# Altium PCB MAINBOARD_PCB.PcbDoc (part 4 of 5)
Units mm, origin at the board's own origin, x right, y up, seen from the top; angles counter-clockwise.
Board outline 480.55 x 38.8 mm, 4 copper layers (Top Layer, Int1 (GND), Int2 (PWR), Bottom Layer), stack 1.547 mm thick; 399 components, 366 nets, 1333 pads, 1063 vias.
Unrouted connection lines stored in the file: 46.
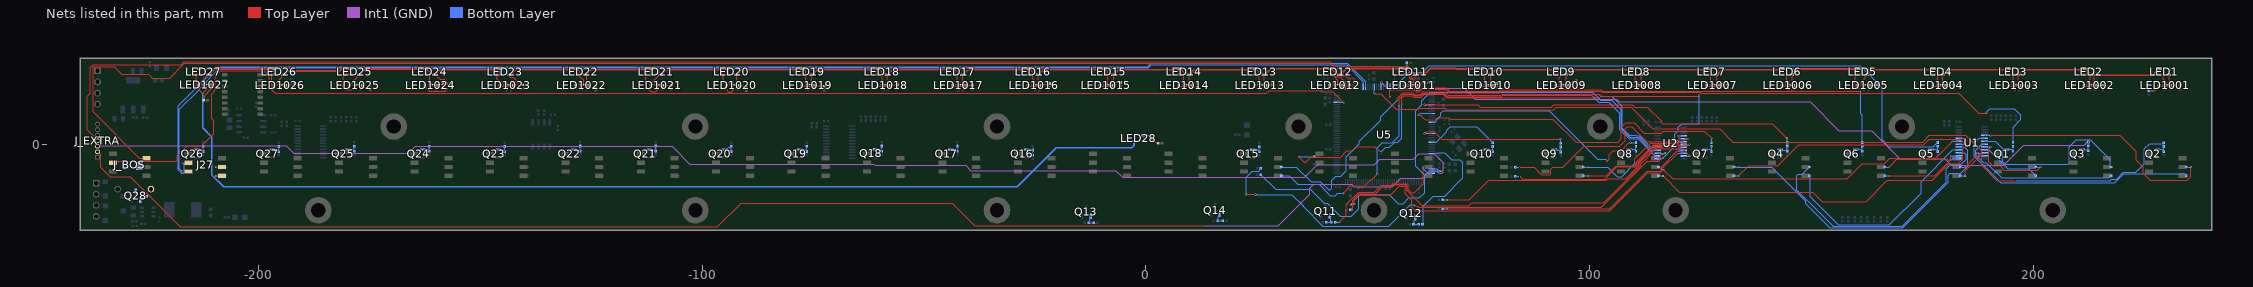
[diagram p6: the nets of this part, all layers, seen from the top]

## Via types
v1: diameter 0.4, hole 0.2, Top Layer to Bottom Layer, tented both sides, 1063 vias

## Nets (pads, with @x,y where several pads share a name; then routed paths per layer and width w, separated by ;. In a path a pad name is that pad's centre, name@x,y a point inside that pad or via, vN(x,y) a via of type N, cw(c..) or ccw(c..) an arc to the next point about the centre after c; other vN are vias at no path point) (continued)
NetJ27_3: J27.3 U5.118 | length 294.4
  Top Layer w0.2: v1(-217.256,-4.125) J27.3@-215.896,-4.125
  Bottom Layer w0.2: v1(-217.256,-4.125) -216.856,-4.525 -216.856,-6.291 -217.091,-6.525 -217.422,-6.525 -218.206,-5.741 -218.206,8.684 -209.391,17.5 0.348,17.5 1.073,18.225 45.33,18.225 49.494,14.061 U5.118@49.494,12.919
NetJ27_4: J27.4 R99.1 | length 2.8
  Top Layer w0.2: v1(-209.706,-5.125) J27.4@-208.296,-5.125
  Bottom Layer w0.2: v1(-209.706,-5.125) R99.1@-208.296,-5.125
NetJ27_5: J27.5 U5.117 | length 289.6
  Top Layer w0.2: v1(-217.256,-6.125) J27.5@-215.896,-6.125
  Bottom Layer w0.2: v1(-217.256,-6.125) -217.906,-5.475 -217.906,7.853 -213.336,12.423 -213.336,12.63 -208.766,17.2 0.472,17.2 1.197,17.925 45.206,17.925 48.994,14.137 U5.117@48.994,12.919
NetJ27_6: J27.6 R104.1 | length 2.8
  Top Layer w0.2: v1(-209.706,-7.125) J27.6@-208.296,-7.125
  Bottom Layer w0.2: v1(-209.706,-7.125) R104.1@-208.296,-7.125
NetJ_BOS_2: J_BOS.2 U5.109 | length 315.9
  Top Layer w0.2: J_BOS.2@-225.296,-2.719 -224.89,-3.125 J_BOS.2@-225.296,-3.125 -226.918,-3.125 -237.329,7.286 -237.329,17.387 -237.212,17.504 -232.652,17.504 -230.952,15.804 -224.901,15.804 -224.647,15.55 -224.616,15.55 -223.991,14.925 -220.141,14.925 -216.816,18.25 41.408,18.25 42.8,16.858 42.8,15.392 42.992,15.2 43.669,15.2 44.9,13.969 v1(44.9,13.925)
  Bottom Layer w0.2: v1(44.9,13.925) 44.994,13.831 U5.109@44.994,12.919
NetJ_BOS_3: J_BOS.3 U5.105 | length 300.9
  Top Layer w0.2: J_BOS.3@-232.896,-4.125 -232.591,-3.82 -218.586,-3.82 -218.35,-3.584 -218.35,-2.453 -216.297,-0.4 -212.975,-0.4 -210.21,2.365 -210.21,5.301 -210.641,5.732 -210.641,11.299 -209.806,12.134 -209.806,15.266 -208.548,16.524 -198.864,16.524 -197.696,15.356 -197.696,12.873 -196.272,11.45 27.15,11.45 27.775,12.075 39.434,12.075 39.659,11.85 42.051,11.85 v1(44.576,9.325)
  Bottom Layer w0.2: U5.105@43.025,9.45 44.397,9.45 44.522,9.325 v1(44.576,9.325)
NetJ_EXTRA_2: J_EXTRA.2 U5.34 | length 324.9
  Top Layer w0.2: J_EXTRA.2@-236.375,-1.678 -236.229,-1.678 -235.621,-2.286 -235.621,-5.216 -233.537,-7.3 -228.946,-7.3 -217.671,-18.575 -96.622,-18.575 -91.297,-13.25 -43.697,-13.25 -38.572,-18.375 v1(12.9,-18.375)
  Int1 (GND) w0.2: v1(12.9,-18.375) 29.828,-18.375 36.925,-11.278 36.925,-9.875 37.8,-9 46.234,-9 46.859,-9.625 55.478,-9.625 57.478,-7.625 62.387,-7.625 64.013,-6 v1(66.6,-6)
  Bottom Layer w0.2: U5.34@64.463,-5.55 65.592,-5.55 66.092,-6.05 v1@66.625,-6.05
NetJ_EXTRA_3: J_EXTRA.3 U5.35 | length 315.6
  Int1 (GND) w0.2: J_EXTRA.3@-236.375,-0.434 -236.291,-0.35 -193.834,-0.35 -192.134,-2.05 -166.297,-2.05 -164.722,-0.475 -106.816,-0.475 -102.816,-4.475 -61.341,-4.475 -61.091,-4.725 -40.672,-4.725 -39.472,-5.925 -6.859,-5.925 -5.297,-7.487 35.747,-7.487 38.584,-4.65 51.5,-4.65 52.75,-3.4 60.3,-3.4 61.525,-2.175 64.994,-2.175 67,-4.181 67,-6.166 66.641,-6.525 v1(66.05,-6.525)
  Bottom Layer w0.2: U5.35@64.463,-6.05 65.575,-6.05 v1(66.05,-6.525)
NetJ_EXTRA_4: J_EXTRA.4 R133.2 R134.1 U5.138 | length 323.2
  Top Layer w0.2: J_EXTRA.4@-236.375,0.811 -236.375,1.302 -236.687,1.302 -238.708,3.323 -238.708,10.824 -238.05,11.482 -238.05,17.275 -237.35,17.975 -217.515,17.975 -216.94,18.55 41.532,18.55 42.482,17.6 58.519,17.6 v1(58.794,17.875) 59.875,16.794 59.875,14.977 60.258,14.594 v1(60.258,14.012)
  Bottom Layer w0.2: R133.2@58.794,17.3 v1(58.794,17.875) R134.1@58.794,18.425 ; U5.138@59.494,12.919 59.494,13.912 59.594,14.012 v1(60.258,14.012)
NetLED1_1: LED1.1 LED2.3 LED1001.3 LED1002.1 | length 24.6
  Top Layer w0.2: LED1002.1@211.35,13.2 211.5,13.05 213.558,13.05 213.725,13.217 213.725,14.349 213.744,14.368 213.744,15.531 213.737,15.538 LED2.3@213.575,15.7 ; LED1.1@228.575,17 228.775,17 229.325,16.45 229.325,16.255 229.286,16.216 229.286,15.885 229.325,15.846 229.325,14.617 229.85,14.092 229.85,13.665 230.095,13.42 LED1001.3@230.2,13.42
  Top Layer w0.4: LED2.3@213.737,15.538 227.013,15.538 227.444,15.968 227.444,16.094 LED1.1@228.225,16.875
NetLED1_3: LED1.3 LED1001.1 R158.1 | length 7.8
  Top Layer w0.2: v1(227,12.075) 227.038,12.113 227.378,12.113 228.35,13.085 LED1001.1@228.35,13.2 228.5,13.05 230.558,13.05 230.675,13.167 230.675,15.6 LED1.3@230.575,15.7
  Bottom Layer w0.2: R158.1@226.05,12.075 v1(227,12.075)
NetLED2_1: LED2.1 LED3.3 LED1002.3 LED1003.1 | length 25
  Top Layer w0.2: LED1003.1@194.35,13.2 194.5,13.05 196.558,13.05 196.675,13.167 196.675,15.6 LED3.3@196.575,15.7 LED3.3@196.887,15.7 ; LED2.1@211.375,16.8 LED2.1@211.575,17 211.775,17 212.825,15.95 212.825,13.69 213.095,13.42 LED1002.3@213.2,13.42
  Top Layer w0.4: LED3.3@196.887,15.7 197.987,16.8 LED2.1@211.375,16.8
NetLED3_1: LED3.1 LED4.3 LED1003.3 LED1004.1 | length 25
  Top Layer w0.2: LED1004.1@177.35,13.2 177.5,13.05 179.558,13.05 179.675,13.167 179.675,15.6 LED4.3@179.575,15.7 LED4.3@179.775,15.7 ; LED3.1@194.375,16.8 LED3.1@194.575,17 194.775,17 195.5,16.275 195.5,14.015 196.095,13.42 LED1003.3@196.2,13.42
  Top Layer w0.4: LED4.3@179.775,15.7 180.875,16.8 LED3.1@194.375,16.8
NetLED4_1: LED4.1 LED5.3 LED1004.3 LED1005.1 | length 23.7
  Top Layer w0.2: LED1005.1@160.35,13.2 160.35,13.315 160.96,13.925 161.25,13.925 162.175,14.85 162.175,15.5 162.375,15.7 LED5.3@162.575,15.7 LED5.3@162.775,15.7 ; LED4.1@177.375,16.8 LED4.1@177.575,17 177.775,17 178.5,16.275 178.5,14.015 179.095,13.42 LED1004.3@179.2,13.42
  Top Layer w0.4: LED5.3@162.775,15.7 163.875,16.8 LED4.1@177.375,16.8
NetLED5_1: LED5.1 LED6.3 LED1005.3 LED1006.1 | length 27.6
  Top Layer w0.2: LED1006.1@143.35,13.2 143.5,13.05 145.558,13.05 145.675,13.167 145.675,14.778 145.732,14.835 145.732,15.543 LED6.3@145.575,15.7 LED6.3@145.775,15.7 ; LED5.1@160.425,16.825 159.875,16.275 159.875,12.727 159.992,12.61 161.285,12.61 162.025,13.35 162.13,13.35 LED1005.3@162.2,13.42
  Top Layer w0.4: LED6.3@145.775,15.7 147.075,17 160.425,17 LED5.1@160.575,17
NetLED6_1: LED6.1 LED7.3 LED1006.3 LED1007.1 | length 25
  Top Layer w0.2: LED1007.1@126.35,13.2 126.5,13.05 128.558,13.05 128.675,13.167 128.675,15.6 LED7.3@128.575,15.7 128.675,15.7 LED7.3@128.775,15.7 ; LED6.1@143.375,16.8 LED6.1@143.575,17 143.775,17 144.5,16.275 144.5,14.015 145.095,13.42 LED1006.3@145.2,13.42
  Top Layer w0.4: LED7.3@128.775,15.7 129.875,16.8 LED6.1@143.375,16.8
NetLED7_1: LED7.1 LED8.3 LED1007.3 LED1008.1 | length 25.1
  Top Layer w0.2: LED1008.1@109.35,13.2 109.5,13.05 111.558,13.05 111.7,13.192 111.7,15.575 LED8.3@111.575,15.7 LED8.3@111.775,15.7 ; LED7.1@126.375,16.8 LED7.1@126.575,17 126.775,17 126.975,16.8 126.975,16.66 127.275,16.36 127.275,14.36 127.215,14.3 128.095,13.42 LED1007.3@128.2,13.42
  Top Layer w0.4: LED8.3@111.775,15.7 112.875,16.8 LED7.1@126.375,16.8
NetLED8_1: LED8.1 LED9.3 LED1008.3 LED1009.1 | length 25.1
  Top Layer w0.2: LED1009.1@92.35,13.2 92.5,13.05 94.558,13.05 94.7,13.192 94.7,15.575 LED9.3@94.575,15.7 LED9.3@94.775,15.7 ; LED8.1@109.375,16.8 LED8.1@109.575,17 109.7,16.875 109.7,16.35 109.85,16.2 110.158,16.2 110.275,16.083 110.275,14.345 111.025,13.595 111.025,13.49 111.095,13.42 LED1008.3@111.2,13.42
  Top Layer w0.4: LED9.3@94.775,15.7 95.875,16.8 LED8.1@109.375,16.8
NetLED9_1: LED9.1 LED10.3 LED1009.3 LED1010.1 | length 25.2
  Top Layer w0.2: LED1010.1@75.35,13.2 75.5,13.05 77.558,13.05 77.7,13.192 LED10.3@77.7,15.625 ; LED9.1@92.575,17 92.5,17 92.3,16.8 92.3,16.317 92.417,16.2 93.158,16.2 93.433,15.924 93.433,15.208 93.2,14.975 93.2,14.316 93.425,14.091 94.095,13.42 LED1009.3@94.2,13.42
  Top Layer w0.4: LED10.3@77.7,15.625 78.875,16.8 LED9.1@92.3,16.8
NetLED10_1: LED10.1 LED11.3 LED1010.3 LED1011.1 | length 25
  Top Layer w0.2: LED1011.1@58.35,13.2 58.5,13.05 60.558,13.05 60.696,13.189 60.696,15.579 LED11.3@60.575,15.7 ; LED11.3@60.675,15.7 LED11.3@60.875,15.9 ; LED10.1@75.575,17 75.775,17 76.425,16.35 76.425,14.09 77.095,13.42 LED1010.3@77.2,13.42
  Top Layer w0.4: LED11.3@60.875,15.9 60.956,15.982 63.035,15.982 64.162,17.109 69.714,17.109 69.823,17 LED10.1@75.575,17
NetLED11_1: LED11.1 LED12.3 LED1011.3 LED1012.1 | length 31
  Top Layer w0.2: LED1012.1@41.485,12.95 42.651,12.95 43.091,12.51 46.41,12.51 46.9,13 46.9,14.854 46.704,15.05 45.425,15.05 44.975,15.5 LED12.3@43.775,15.5 ; LED11.1@58.775,17 59.44,16.334 59.44,14.845 59.703,14.583 59.703,13.812 60.065,13.45 LED1011.3@60.125,13.45
  Top Layer w0.4: LED1012.1@41.35,13.2 41.35,13.085 LED1012.1@41.485,12.95 ; LED12.3@43.9,15.825 43.951,15.825 45.233,17.107 58.219,17.107 58.219,17 LED11.1@58.575,17 LED11.1@58.775,17
NetLED12_1: LED12.1 LED13.3 LED1012.3 LED1013.1 | length 25.5
  Top Layer w0.2: LED1013.1@24.35,13.085 24.81,12.625 26.133,12.625 26.675,13.167 LED13.3@26.675,15.6 ; LED12.1@41.775,17 42.4,16.375 42.4,15.226 43.275,14.351 43.275,13.6
  Top Layer w0.3: LED1013.1@24.35,13.085 LED1013.1@24.35,13.2 ; LED13.3@26.675,15.6 LED13.3@26.575,15.7 26.775,15.7 28.075,17 LED12.1@41.575,17 LED12.1@41.775,17 ; LED1012.3@43.2,13.42 43.095,13.42 43.275,13.6
NetLED13_1: LED13.1 LED14.3 LED1013.3 LED1014.1 | length 25
  Top Layer w0.2: LED1014.1@7.35,13.2 7.5,13.05 9.558,13.05 9.719,13.211 9.719,15.556 LED14.3@9.575,15.7 LED14.3@9.775,15.7 ; LED13.1@24.375,16.8 LED13.1@24.575,17 24.775,17 25.5,16.275 25.5,14.015 26.095,13.42 LED1013.3@26.2,13.42
  Top Layer w0.4: LED14.3@9.775,15.7 10.875,16.8 LED13.1@24.375,16.8
NetLED14_1: LED14.1 LED15.3 LED1014.3 LED1015.1 | length 25.6
  Top Layer w0.2: LED1015.1@-10.431,13.2 -10.281,13.05 -8.223,13.05 -8.056,13.217 -8.056,13.673 -7.275,14.454 -7.275,15.35 -7.625,15.7 LED15.3@-7.425,15.7 LED15.3@-7.225,15.7 ; LED14.1@7.375,16.8 LED14.1@7.575,17 7.775,17 8.5,16.275 8.5,14.015 9.095,13.42 LED1014.3@9.2,13.42
  Top Layer w0.4: LED15.3@-7.225,15.7 -6.125,16.8 LED14.1@7.375,16.8
NetLED15_1: LED15.1 LED16.3 LED1015.3 LED1016.1 | length 24.6
  Top Layer w0.2: LED1016.1@-26.65,13.2 -26.5,13.05 -24.442,13.05 -24.325,13.167 -24.325,15.6 LED16.3@-24.425,15.7 LED16.3@-24.225,15.7 ; LED15.1@-9.625,16.8 LED15.1@-9.425,17 -9.225,17 -8.581,16.356 LED1015.3@-8.581,13.42
  Top Layer w0.4: LED16.3@-24.225,15.7 -23.125,16.8 LED15.1@-9.625,16.8
NetLED16_1: LED16.1 LED17.3 LED1016.3 LED1017.1 | length 25
  Top Layer w0.2: LED1017.1@-43.65,13.2 -43.5,13.05 -41.442,13.05 -41.325,13.167 -41.325,15.6 LED17.3@-41.425,15.7 LED17.3@-41.225,15.7 ; LED16.1@-26.625,16.8 LED16.1@-26.425,17 -26.225,17 -25.5,16.275 -25.5,14.825 -25.25,14.575 -25.25,13.809 -25.1,13.659 -25.1,13.615 -24.905,13.42 LED1016.3@-24.8,13.42
  Top Layer w0.4: LED17.3@-41.225,15.7 -40.125,16.8 LED16.1@-26.625,16.8
NetLED17_1: LED17.1 LED18.3 LED1017.3 LED1018.1 | length 25
  Top Layer w0.2: LED1018.1@-60.65,13.2 -60.5,13.05 -58.442,13.05 -58.325,13.167 -58.325,15.6 LED18.3@-58.425,15.7 LED18.3@-58.225,15.7 ; LED17.1@-43.625,16.8 LED17.1@-43.425,17 -43.225,17 -42.5,16.275 -42.5,14.015 -41.905,13.42 LED1017.3@-41.8,13.42
  Top Layer w0.4: LED18.3@-58.225,15.7 -57.125,16.8 LED17.1@-43.625,16.8
NetLED18_1: LED18.1 LED19.3 LED1018.3 LED1019.1 | length 25
  Top Layer w0.2: LED1019.1@-77.65,13.2 -77.5,13.05 -75.442,13.05 -75.325,13.167 -75.325,15.6 LED19.3@-75.425,15.7 LED19.3@-75.225,15.7 ; LED18.1@-60.625,16.8 LED18.1@-60.425,17 -60.225,17 -59.5,16.275 -59.5,14.015 -58.905,13.42 LED1018.3@-58.8,13.42
  Top Layer w0.4: LED19.3@-75.225,15.7 -74.125,16.8 LED18.1@-60.625,16.8
NetLED19_1: LED19.1 LED20.3 LED1019.3 LED1020.1 | length 25.8
  Top Layer w0.2: LED1020.1@-94.65,13.2 -94.65,12.378 -94.022,11.75 -93.506,11.75 -92.3,12.956 -92.3,15.625 LED20.3@-92.225,15.7 ; LED19.1@-77.625,16.8 LED19.1@-77.425,17 ; -76.975,16.65 -76.725,16.4 -76.725,14.24 -75.905,13.42 LED1019.3@-75.8,13.42
  Top Layer w0.4: LED20.3@-92.225,15.7 -91.125,16.8 LED19.1@-77.625,16.8
NetLED20_1: LED20.1 LED21.3 LED1020.3 LED1021.1 | length 25.2
  Top Layer w0.2: LED1021.1@-111.65,13.2 -111.65,13.315 -111.211,13.754 -111.211,14.114 -109.625,15.7 LED21.3@-109.425,15.7 LED21.3@-109.225,15.7 ; LED20.1@-94.225,17 LED20.1@-94.425,17 -94.483,17 -94.483,16.317 -94.55,16.25 -94.988,16.25 -95.275,15.963 -95.275,14.225 -94.925,13.875 -93.36,13.875 -92.905,13.42 LED1020.3@-92.8,13.42
  Top Layer w0.4: LED21.3@-109.225,15.7 -108.125,16.8 LED20.1@-94.683,16.8
NetLED21_1: LED21.1 LED22.3 LED1021.3 LED1022.1 | length 30.7
  Top Layer w0.2: LED1022.1@-128.65,13.2 -128.65,13.085 -128.475,12.91 -127.901,12.91 -127.701,12.71 -126.782,12.71 -126.3,13.192 -126.3,13.648 -126.023,13.925 -126.025,13.927 -126.025,15.5 -126.225,15.7 LED22.3@-126.425,15.7 ; LED21.1@-111.625,16.8 LED21.1@-111.425,17 -111.425,16.8 -111.425,16.525 -111.65,16.3 -112.275,16.3 -112.756,15.819 -112.756,13.106 -111.525,11.875 -110.556,11.875 -109.725,12.706 -109.725,13.24 -109.853,13.367 -109.905,13.42 LED1021.3@-109.8,13.42
  Top Layer w0.4: LED22.3@-126.225,15.7 -125.125,16.8 LED21.1@-111.625,16.8
NetLED22_1: LED22.1 LED23.3 LED1022.3 LED1023.1 | length 26.7
  Top Layer w0.2: LED1023.1@-145.65,13.2 -145.5,13.05 -143.442,13.05 -143.275,13.217 -143.275,13.673 -143.073,13.875 -142.259,13.875 -142.025,14.109 -142.025,14.441 -142.7,15.115 -143.265,15.115 -143.425,15.275 LED23.3@-143.425,15.7 ; LED22.1@-128.625,16.8 LED22.1@-128.425,17 -128.225,17 -127.5,16.275 -127.5,15.153 -126.8,14.453 LED1022.3@-126.8,13.42 LED1022.3@-126.905,13.42
  Top Layer w0.4: LED23.3@-143.225,15.7 -142.125,16.8 LED22.1@-128.625,16.8
NetLED23_1: LED23.1 LED24.3 LED1023.3 LED1024.1 | length 32.5
  Top Layer w0.2: LED1024.1@-162.65,13.2 -162.65,13.085 -161.465,11.9 -157.975,11.9 -157.4,12.475 -157.4,13.775 -158.262,14.637 -159.163,14.637 -160.125,15.6 LED24.3@-160.325,15.6 ; LED23.1@-145.425,17 -145.333,16.908 -145.333,16.542 -145.562,16.313 -145.912,16.313 -146.225,16 -146.225,14.55 -145.85,14.175 -144.66,14.175 -143.905,13.42 LED1023.3@-143.8,13.42
  Top Layer w0.4: LED24.3@-160.325,15.6 -159.125,16.8 -146.725,16.8 -146.525,17 LED23.1@-145.426,17
NetLED24_1: LED24.1 LED25.3 LED1024.3 LED1025.1 | length 23.5
  Top Layer w0.2: LED1025.1@-179.65,13.2 -179.65,13.315 -177.825,15.14 -177.825,15.5 -177.625,15.7 LED25.3@-177.425,15.7 LED25.3@-177.225,15.7 ; LED24.1@-162.425,17 -162.225,17 -161.5,16.275 -161.5,14.015 -160.905,13.42 LED1024.3@-160.8,13.42
  Top Layer w0.4: LED25.3@-177.225,15.7 -175.925,17 LED24.1@-162.425,17
NetLED25_1: LED25.1 LED26.3 LED1025.3 LED1026.1 | length 27.8
  Top Layer w0.2: LED1026.1@-196.65,13.2 -196.65,13.315 -194.825,15.14 -194.825,15.5 -194.625,15.7 LED26.3@-194.425,15.7 LED26.3@-194.225,15.7 ; LED25.1@-179.625,17 LED25.1@-179.425,17 -179.425,16.783 -180.975,15.233 -180.975,12.8 -180.425,12.25 -179.075,12.25 -177.905,13.42 LED1025.3@-177.8,13.42
  Top Layer w0.4: LED26.3@-194.225,15.7 -193.425,16.5 -181.825,16.5 -181.325,17 LED25.1@-179.625,17
NetLED26_1: LED26.1 LED27.3 LED1026.3 LED1027.1 | length 26.4
  Top Layer w0.2: LED1027.1@-213.65,13.3 -213.65,13.415 -211.825,15.24 -211.825,15.5 -211.625,15.7 LED27.3@-211.425,15.7 LED27.3@-211.225,15.7 ; LED1026.3@-194.8,13.42 -194.905,13.42 -195.715,12.61 -197.008,12.61 -197.125,12.727 -197.125,16.083 -196.825,16.383 -196.825,16.8 LED26.1@-196.801,16.824 ; LED26.1@-196.801,16.824 -196.625,17 LED26.1@-196.425,17 -196.601,16.824 LED26.1@-196.801,16.824
  Top Layer w0.4: LED27.3@-211.225,15.7 -210.001,16.924 -196.901,16.924 LED26.1@-196.801,16.824
NetLED27_1: LED27.1 LED28.3 LED1027.3 | length 242.1
  Top Layer w0.2: LED27.1@-213.425,17 -213.625,17 -214.125,16.5 -214.125,12.827 -212.861,11.563 -212.713,11.563 v1(-212.675,11.525) -211.8,12.4 LED1027.3@-211.8,13.52
  Bottom Layer w0.4: v1(-212.675,11.525) -212.675,3.709 -210.606,1.64 -210.606,-6.932 -207.963,-9.575 -28.983,-9.575 -20.208,-0.8 -3.2,-0.8 -2.675,-0.275 LED28.3@-2.675,0.7
NetLED28_1: LED28.1 R3001.1 | length 4.2
  Top Layer w0.2: v1(1.975,0.5) 2.002,0.527 2.175,0.354 2.671,0.354 R3001.1@2.775,0.25
  Bottom Layer w0.2: LED28.1@-0.675,2 0.475,2 v1(1.975,0.5)
NetLED1001_4: LED1001.4 R2001.1 | length 2
  Top Layer w0.2: LED1001.4@231.2,13.2 231.25,13.25 R2001.1@233.2,13.25
NetLED1002_4: LED1002.4 R2002.1 | length 1.5
  Top Layer w0.2: LED1002.4@214.2,13.2 214.325,13.325 R2002.1@215.675,13.325
NetLED1003_4: LED1003.4 R2003.1 | length 1.7
  Top Layer w0.2: LED1003.4@197.2,13.2 197.275,13.125 R2003.1@198.825,13.125
NetLED1004_4: LED1004.4 R2004.2 | length 1.9
  Top Layer w0.2: LED1004.4@180.2,13.2 180.375,13.375 182,13.375 R2004.2@182.05,13.425
NetLED1005_4: LED1005.4 R2005.2 | length 1.6
  Top Layer w0.2: LED1005.4@163.2,13.2 163.325,13.325 R2005.2@164.775,13.325
NetLED1006_4: LED1006.4 R2006.2 | length 2
  Top Layer w0.2: LED1006.4@146.2,13.2 146.375,13.025 147.875,13.025 R2006.2@148.05,12.85
NetLED1007_4: LED1007.4 R2007.2 | length 2.1
  Top Layer w0.2: LED1007.4@129.2,13.2 129.375,13.375 130.98,13.375 R2007.2@131.125,13.52
NetLED1008_4: LED1008.4 R2008.2 | length 2
  Top Layer w0.2: LED1008.4@112.2,13.2 112.2,13.315 112.385,13.5 113.875,13.5 R2008.2@113.95,13.575
NetLED1009_4: LED1009.4 R2009.2 | length 2.4
  Top Layer w0.2: LED1009.4@95.2,13.2 95.2,13.315 96.185,14.3 R2009.2@97.05,14.3
NetLED1010_4: LED1010.4 R2010.2 | length 1.2
  Top Layer w0.2: LED1010.4@78.2,13.2 78.2,13.315 78.385,13.5 78.9,13.5 79.075,13.675 R2010.2@79.075,13.7
NetLED1011_4: LED1011.4 R2011.2 | length 2
  Top Layer w0.2: LED1011.4@61.2,13.2 61.2,13.315 61.76,13.875 R2011.2@62.85,13.875
NetLED1012_4: LED1012.4 R2012.2 | length 1.5
  Top Layer w0.2: 44.5,13.2 45.65,13.2 R2012.2@45.9,13.45
NetLED1013_4: LED1013.4 R2013.2 | length 1.5
  Top Layer w0.2: LED1013.4@27.2,13.2 27.375,13.375 28.525,13.375 R2013.2@28.6,13.45
NetLED1014_4: LED1014.4 R2014.2 | length 1.5
  Top Layer w0.2: LED1014.4@10.2,13.2 10.2,13.15 10.375,12.975 11.35,12.975 11.525,12.8 R2014.2@11.525,12.775
NetLED1015_4: LED1015.4 R2015.2 | length 2.3
  Top Layer w0.2: LED1015.4@-7.581,13.2 -7.581,13.315 -7.406,13.49 -7.291,13.49 -6.836,13.945 R2015.2@-5.7,13.945
NetLED1016_4: LED1016.4 R2016.2 | length 2.5
  Top Layer w0.2: LED1016.4@-23.8,13.2 -23.8,13.315 -23.615,13.5 -21.775,13.5 -21.6,13.675 R2016.2@-21.6,13.7
NetLED1017_4: LED1017.4 R2017.2 | length 1.8
  Top Layer w0.2: LED1017.4@-40.8,13.2 -40.7,13.3 R2017.2@-39.075,13.3
NetLED1018_4: LED1018.4 R2018.2 | length 2
  Top Layer w0.2: LED1018.4@-57.8,13.2 -57.625,13.375 -55.975,13.375 R2018.2@-55.925,13.425
NetLED1019_4: LED1019.4 R2019.2 | length 2.3
  Top Layer w0.2: LED1019.4@-74.8,13.2 -72.65,13.2 R2019.2@-72.525,13.075
NetLED1020_4: LED1020.4 R2020.2 | length 1.8
  Top Layer w0.2: LED1020.4@-91.8,13.2 -90.35,13.2 -90.3,13.15 -90.275,13.15 -90.1,12.975 R2020.2@-90.1,12.95
NetLED1021_4: LED1021.4 R2021.2 | length 1.8
  Top Layer w0.2: LED1021.4@-108.8,13.2 -108.675,13.325 R2021.2@-107.075,13.325
NetLED1022_4: LED1022.4 R2022.2 | length 1.8
  Top Layer w0.2: LED1022.4@-125.8,13.2 -125.625,13.025 R2022.2@-124.075,13.025
NetLED1023_4: LED1023.4 R2023.2 | length 2.3
  Top Layer w0.2: LED1023.4@-142.8,13.2 -142.625,13.375 -140.575,13.375 R2023.2@-140.55,13.4
NetLED1024_4: LED1024.4 R2024.2 | length 1.6
  Top Layer w0.2: LED1024.4@-159.8,13.2 -159.8,13.315 -159.615,13.5 -158.625,13.5 -158.45,13.675 R2024.2@-158.45,13.7
NetLED1025_4: LED1025.4 R2025.2 | length 2.3
  Top Layer w0.2: LED1025.4@-176.8,13.2 -176.8,13.085 -176.625,12.91 -176.005,12.91 -175.67,12.575 -175.05,12.575 -174.875,12.4 R2025.2@-174.875,12.375
NetLED1026_4: LED1026.4 R2026.2 | length 2.1
  Top Layer w0.2: LED1026.4@-193.8,13.2 -193.8,13.3 -193.625,13.475 -192.125,13.475 -191.95,13.65 R2026.2@-191.95,13.675
NetLED1027_4: LED1027.4 R2027.2 | length 4.1
  Top Layer w0.2: R2027.2@-212.45,9.925 -212.425,9.925 -212.25,10.1 -212.25,10.918 -210.8,12.367 LED1027.4@-210.8,13.3
NetQ1_1: Q1.1 R9.1 R12.1 | length 2.8
  Bottom Layer w0.2: Q1.1@194.009,-1.175 195.069,-1.175 R9.1@195.469,-1.575 ; R9.1@195.469,-1.6 R9.1@195.469,-1.575 ; R12.1@195.469,-0.425 R9.1@195.469,-1.575
NetQ2_1: Q2.1 R5.1 R10.1 | length 2.8
  Bottom Layer w0.2: Q2.1@228.009,-1.175 229.044,-1.175 R5.1@229.494,-1.625 ; R5.1@229.494,-1.65 R5.1@229.494,-1.625 ; R10.1@229.494,-0.5 R5.1@229.494,-1.625
NetQ3_1: Q3.1 R7.1 R11.1 | length 2.7
  Bottom Layer w0.2: Q3.1@211.009,-1.175 211.109,-1.275 212.294,-1.275 R7.1@212.469,-1.45 ; R7.1@212.469,-1.475 R7.1@212.469,-1.45 ; R11.1@212.469,-0.325 R7.1@212.469,-1.45
NetQ4_1: Q4.1 R21.1 R24.1 | length 2.8
  Bottom Layer w0.2: Q4.1@143.009,-1.175 143.159,-1.325 144.344,-1.325 R21.1@144.519,-1.5 ; R21.1@144.519,-1.525 R21.1@144.519,-1.5 ; R24.1@144.519,-0.4 R21.1@144.519,-1.5
NetQ5_1: Q5.1 R17.1 R22.1 | length 2.8
  Bottom Layer w0.2: Q5.1@177.009,-1.175 178.044,-1.175 R17.1@178.469,-1.6 ; R17.1@178.469,-1.625 R17.1@178.469,-1.6 ; R22.1@178.469,-0.45 R17.1@178.469,-1.6
NetQ6_1: Q6.1 R19.1 R23.1 | length 2.8
  Bottom Layer w0.2: Q6.1@160.009,-1.175 161.069,-1.175 R19.1@161.469,-1.575 ; R19.1@161.469,-1.6 R19.1@161.469,-1.575 ; R23.1@161.469,-0.45 R19.1@161.469,-1.575
NetQ7_1: Q7.1 R29.1 R34.1 | length 2.8
  Bottom Layer w0.2: Q7.1@126.009,-1.175 127.069,-1.175 R29.1@127.494,-1.6 ; R29.1@127.494,-1.625 R29.1@127.494,-1.6 ; R34.1@127.494,-0.475 R29.1@127.494,-1.6
NetQ8_1: Q8.1 R31.1 R35.1 | length 2.8
  Bottom Layer w0.2: Q8.1@109.009,-1.175 110.069,-1.175 R31.1@110.469,-1.575 ; R31.1@110.469,-1.6 R31.1@110.469,-1.575 ; R35.1@110.469,-0.45 R31.1@110.469,-1.575
NetQ9_1: Q9.1 R33.1 R36.1 | length 2.8
  Bottom Layer w0.2: Q9.1@92.009,-1.175 92.047,-1.213 92.957,-1.213 R33.1@93.469,-1.725 ; R33.1@93.469,-1.75 R33.1@93.469,-1.725 ; R36.1@93.469,-0.6 R33.1@93.469,-1.725
NetQ10_1: Q10.1 R41.1 R46.1 | length 2.8
  Bottom Layer w0.2: Q10.1@76.684,-1.175 77.694,-1.175 R41.1@78.144,-1.625 ; R41.1@78.144,-1.65 R41.1@78.144,-1.625 ; R46.1@78.144,-0.5 R41.1@78.144,-1.625
NetQ11_1: Q11.1 R45.1 R48.1 | length 2.7
  Bottom Layer w0.2: R45.1@40.651,-17.562 R48.1@41.776,-17.562 ; Q11.1@41.451,-16.103 41.601,-16.252 41.601,-17.387 R48.1@41.776,-17.562 ; R48.1@41.801,-17.562 R48.1@41.776,-17.562
NetQ12_1: Q12.1 R43.1 R47.1 | length 2.8
  Bottom Layer w0.2: R43.1@60.325,-17.994 R43.1@60.35,-17.994 ; Q12.1@60.725,-16.534 60.725,-16.902 60.525,-17.102 60.525,-17.819 R43.1@60.35,-17.994 ; R47.1@61.475,-17.994 R43.1@60.35,-17.994
NetQ13_1: Q13.1 R57.1 R60.1 | length 2.8
  Bottom Layer w0.2: R57.1@-12.931,-17.65 R57.1@-12.906,-17.65 ; Q13.1@-12.481,-16.19 -12.481,-16.558 -12.731,-16.808 -12.731,-17.475 R57.1@-12.906,-17.65 ; R60.1@-11.781,-17.65 R57.1@-12.906,-17.65
NetQ14_1: Q14.1 R55.1 R59.1 | length 2.8
  Bottom Layer w0.2: R55.1@16.144,-17.25 R55.1@16.169,-17.25 ; Q14.1@16.569,-15.79 16.569,-16.158 16.344,-16.383 16.344,-17.075 R55.1@16.169,-17.25 ; R59.1@17.294,-17.25 R55.1@16.169,-17.25
NetQ15_1: Q15.1 R53.1 R58.1 | length 2.8
  Bottom Layer w0.2: Q15.1@24.049,-1.209 25.069,-1.209 R53.1@25.519,-1.659 ; R53.1@25.519,-1.684 R53.1@25.519,-1.659 ; R58.1@25.519,-0.534 R53.1@25.519,-1.659
NetQ16_1: Q16.1 R65.1 R70.1 | length 2.7
  Bottom Layer w0.2: Q16.1@-26.991,-1.175 -25.644,-1.175 R70.1@-25.544,-1.275 R65.1@-25.544,-2.45
NetQ17_1: Q17.1 R67.1 R71.1 | length 2.8
  Bottom Layer w0.2: Q17.1@-43.959,-1.175 -43.784,-1.35 -42.674,-1.35 R67.1@-42.499,-1.525 ; R67.1@-42.499,-1.55 R67.1@-42.499,-1.525 ; R71.1@-42.499,-0.4 R67.1@-42.499,-1.525
NetQ18_1: Q18.1 R69.1 R72.1 | length 2.8
  Bottom Layer w0.2: Q18.1@-61.016,-1.125 -59.956,-1.125 R69.1@-59.556,-1.525 ; R69.1@-59.556,-1.55 R69.1@-59.556,-1.525 ; R72.1@-59.556,-0.4 R69.1@-59.556,-1.525
NetQ19_1: Q19.1 R77.1 R82.1 | length 2.8
  Bottom Layer w0.2: Q19.1@-77.984,-1.175 -76.949,-1.175 R77.1@-76.524,-1.6 ; R77.1@-76.524,-1.625 R77.1@-76.524,-1.6 ; R82.1@-76.524,-0.475 R77.1@-76.524,-1.6
NetQ20_1: Q20.1 R79.1 R83.1 | length 2.9
  Bottom Layer w0.2: Q20.1@-94.991,-1.175 -94.623,-1.175 -94.123,-0.675 -93.706,-0.675 R83.1@-93.531,-0.5 ; R79.1@-93.531,-1.625 R83.1@-93.531,-0.5 ; R83.1@-93.531,-0.475 R83.1@-93.531,-0.5
NetQ21_1: Q21.1 R81.1 R84.1 | length 2.7
  Bottom Layer w0.2: Q21.1@-111.966,-1.175 -111.816,-1.325 -110.681,-1.325 R81.1@-110.506,-1.5 ; R81.1@-110.506,-1.525 R81.1@-110.506,-1.5 ; R84.1@-110.506,-0.375 R81.1@-110.506,-1.5
NetQ22_1: Q22.1 R89.1 R94.1 | length 2.8
  Bottom Layer w0.2: Q22.1@-128.991,-1.175 -128.816,-1.35 -127.706,-1.35 R89.1@-127.531,-1.525 ; R89.1@-127.531,-1.55 R89.1@-127.531,-1.525 ; R94.1@-127.531,-0.4 R89.1@-127.531,-1.525
NetQ23_1: Q23.1 R91.1 R95.1 | length 2.8
  Bottom Layer w0.2: Q23.1@-146.031,-1.175 -145.021,-1.175 R91.1@-144.571,-1.625 ; R91.1@-144.571,-1.65 R91.1@-144.571,-1.625 ; R95.1@-144.571,-0.5 R91.1@-144.571,-1.625
NetQ24_1: Q24.1 R93.1 R96.1 | length 2.8
  Bottom Layer w0.2: Q24.1@-163.016,-1.175 -161.931,-1.175 R93.1@-161.556,-1.55 ; R93.1@-161.556,-1.575 R93.1@-161.556,-1.55 ; R96.1@-161.556,-0.425 R93.1@-161.556,-1.55
NetQ25_1: Q25.1 R101.1 R106.1 | length 2.8
  Bottom Layer w0.2: Q25.1@-179.991,-1.175 -178.906,-1.175 R101.1@-178.531,-1.55 ; R101.1@-178.531,-1.575 R101.1@-178.531,-1.55 ; R106.1@-178.531,-0.425 R101.1@-178.531,-1.55
NetQ26_1: Q26.1 R105.1 R108.1 | length 2.8
  Bottom Layer w0.2: Q26.1@-214.004,-1.212 -212.944,-1.212 R105.1@-212.544,-1.612 ; R105.1@-212.544,-1.637 R105.1@-212.544,-1.612 ; R108.1@-212.544,-0.462 R105.1@-212.544,-1.612
NetQ27_1: Q27.1 R103.1 R107.1 | length 2.8
  Bottom Layer w0.2: Q27.1@-196.991,-1.175 -195.981,-1.175 R103.1@-195.531,-1.625 ; R103.1@-195.531,-1.65 R103.1@-195.531,-1.625 ; R107.1@-195.531,-0.5 R103.1@-195.531,-1.625
NetQ28_1: Q28.1 R153.2 | length 2
  Bottom Layer w0.2: Q28.1@-226.756,-12.552 -226.756,-12.184 -226.577,-12.005 -225.661,-12.005 -225.356,-11.7 R153.2@-225.331,-11.7
NetQ28_3: Q28.3 R150.2 R1150.2
NetR1_2: R1.2 U1.4 | length 56.2
  Top Layer w0.2: v1(190.394,2) 219.575,2 223.275,-1.7 223.275,-3.584 224.849,-5.159 224.849,-6.551 226.424,-8.125 234.725,-8.125 235.569,-7.281 v1(235.569,-5.125)
  Bottom Layer w0.2: U1.4@189.04,2 v1(190.394,2) ; R1.2@234.554,-5.125 v1(235.569,-5.125)
NetR2_2: R2.2 U1.6 | length 40.2
  Bottom Layer w0.2: U1.6@189.04,0.7 191.405,0.7 193.159,-1.055 193.159,-3.9 193.784,-4.525 207.909,-4.525 208.144,-4.291 208.144,-0.535 209.704,1.025 212.827,1.025 217.354,-3.502 217.354,-4.95 217.529,-5.125 R2.2@217.554,-5.125
NetR3_2: R3.2 U1.8 | length 18.7
  Top Layer w0.2: v1(190.394,-0.6) 189.994,-1 189.994,-3.941 190.934,-4.88 192.539,-4.88 193.479,-5.82 200.949,-5.82 v1(201.644,-5.125)
  Bottom Layer w0.2: U1.8@189.04,-0.6 v1(190.394,-0.6) ; R3.2@200.554,-5.125 v1(201.644,-5.125)
NetR4_2: R4.2 U1.5 | length 57.1
  Bottom Layer w0.2: U1.5@189.04,1.35 187.686,1.35 186.775,0.439 186.775,-2.722 192.728,-8.675 218.433,-8.675 220.458,-6.65 234.087,-6.65 234.212,-6.776 234.212,-6.809 234.529,-7.125 R4.2@234.554,-7.125
NetR6_2: R6.2 U1.7 | length 36.5
  Bottom Layer w0.2: U1.7@189.04,0.05 188.42,0.05 187.075,-1.295 187.075,-2.432 188.818,-4.175 189.475,-4.175 192.9,-7.6 217.087,-7.6 217.212,-7.474 217.212,-7.441 217.529,-7.125 R6.2@217.554,-7.125
NetR8_2: R8.2 U1.9 | length 14
  Bottom Layer w0.2: U1.9@189.04,-1.25 190.019,-1.25 194.294,-5.525 198.962,-5.525 200.354,-6.917 200.354,-6.95 200.529,-7.125 R8.2@200.554,-7.125
NetR10_2: R10.2 U5.122 | length 197.9
  Top Layer w0.2: v1(51.494,11.375) 52.885,11.375 56.41,7.85 61.353,7.85 61.628,8.125 67.404,8.125 67.779,7.75 91.95,7.75 92.5,8.3 109.426,8.3 109.951,7.775 109.961,7.775 114.224,3.512 129.298,3.512 132.31,0.5 175.076,0.5 176.626,2.05 184.842,2.05 188.394,-1.502 188.394,-4.765 191.829,-8.2 v1(195.975,-8.2)
  Bottom Layer w0.2: v1(51.494,11.375) U5.122@51.494,12.919 U5.122@51.494,13.516 ; v1@195.975,-8.175 217.332,-8.175 217.662,-7.845 218.839,-7.845 220.334,-6.35 223.116,-6.35 225.1,-4.366 225.1,-1.003 226.253,0.15 229.319,0.15 229.494,0.325 R10.2@229.494,0.35 229.494,0.375 R10.2@229.319,0.55
NetR11_2: R11.2 U5.125 | length 170.8
  Int1 (GND) w0.2: v1(53.069,13.968) 54.436,12.601 71.795,12.601 74.22,10.175 106.05,10.175 106.675,9.55 149.7,9.55 156.213,3.037 163.613,3.037 169.875,-3.225 180.093,-3.225 181.593,-4.725 193.366,-4.725 197.926,-0.165 211.485,-0.165 212.2,0.55 212.212,0.538 212.43,0.538 v1(212.469,0.5)
  Bottom Layer w0.2: U5.125@52.994,12.919 52.994,13.893 v1(53.069,13.968) v1@53.069,14.084 ; R11.2@212.294,0.325 v1(212.469,0.5) R11.2@212.469,0.525
NetR12_2: R12.2 U5.129 | length 156.5
  Top Layer w0.2: v1(54.994,10.7) 54.994,12.082 55.221,12.31 60.378,12.31 60.887,11.801 61.609,11.801 62.258,12.45 67.599,12.45 68.409,11.639 79.769,11.639 80.085,11.955 102.559,11.955 102.814,11.7 124.94,11.7 125.14,11.5 183.259,11.5 187.709,7.05 v1(189.5,7.05)
  Bottom Layer w0.2: v1(54.994,10.7) U5.129@54.994,12.919 ; 189.575,7.325 190.25,8 195.716,8 197.217,6.499 197.217,5.605 195.469,3.856 R12.2@195.469,0.425
NetR13_2: R13.2 U1.10 | length 7
  Top Layer w0.2: v1(184.569,-5.125) 187.375,-2.319 187.375,-2.075 v1(187.475,-1.975)
  Bottom Layer w0.2: R13.2@183.554,-5.125 v1(184.569,-5.125) ; v1(187.475,-1.975) 188.965,-1.975 U1.10@189.04,-1.9
NetR14_2: R14.2 U1.13 | length 17.5
  Top Layer w0.2: v1(167.569,-5.125) 169.264,-3.43 180.863,-3.43 v1(180.884,-3.45)
  Bottom Layer w0.2: R14.2@166.554,-5.125 v1(167.569,-5.125) ; v1(180.884,-3.45) 181.625,-3.45 181.624,-3.449 181.872,-3.2 U1.13@183.198,-3.2
NetR15_2: R15.2 U1.15 | length 59.5
  Bottom Layer w0.2: R15.2@149.529,-5.125 149.212,-5.441 149.212,-5.474 149.087,-5.6 149.053,-5.6 147.928,-6.725 147.018,-6.725 146.75,-6.993 146.75,-10.322 151.541,-15.113 151.572,-15.113 154.909,-18.45 170.534,-18.45 180.4,-8.584 180.4,-7.784 180.375,-7.759 180.375,-5.478 181.378,-4.475 183.842,-4.475 184.952,-3.366 184.952,-2.384 184.467,-1.9 U1.15@183.198,-1.9
NetR16_2: R16.2 U1.11 | length 8.2
  Top Layer w0.2: v1(184.644,-7.125) 184.644,-5.965 187.825,-2.784 v1(187.825,-2.55)
  Bottom Layer w0.2: R16.2@183.554,-7.125 v1(184.644,-7.125) ; v1(187.825,-2.55) 187.838,-2.563 189.027,-2.563 U1.11@189.04,-2.55
NetR18_2: R18.2 U1.14 | length 19.1
  Top Layer w0.2: v1(167.569,-7.125) 177.864,-7.125 181.484,-3.505 v1(181.484,-2.575)
  Bottom Layer w0.2: R18.2@166.554,-7.125 v1(167.569,-7.125) ; v1(181.484,-2.575) 183.173,-2.575 U1.14@183.198,-2.55
NetR20_2: R20.2 U1.16 | length 49.4
  Bottom Layer w0.2: R20.2@149.554,-7.125 149.579,-7.125 149.754,-7.3 149.754,-11.801 156.103,-18.15 167.606,-18.15 174.728,-11.028 174.728,-8.45 181.928,-1.25 U1.16@183.198,-1.25
NetR22_2: R22.2 U5.133 | length 138.9
  Bottom Layer w0.2: U5.133@56.994,12.919 56.994,13.844 59.375,16.225 60.538,16.225 60.564,16.251 62.387,16.251 63.862,17.726 161.007,17.726 165.975,12.758 165.975,0.974 167.474,-0.525 177.519,-0.525 178.469,0.425 R22.2@178.469,0.4
NetR23_2: R23.2 U5.141 | length 113.3
  Top Layer w0.2: v1(61.053,12.201) 61.585,12.201 62.134,12.75 67.723,12.75 68.534,11.939 79.645,11.939 79.96,12.255 102.684,12.255 102.928,12.01 161.04,12.01 v1(161.15,11.9)
  Bottom Layer w0.2: U5.141@60.994,12.919 61.033,12.879 U5.141@61.033,12.201 ; v1(161.15,11.9) 161.15,6.911 161.469,6.592 v1(161.469,1.35) R23.2@161.469,0.4
NetR24_2: R24.2 U5.5 | length 88.1
  Top Layer w0.2: v1(62.778,8.95) 62.803,8.925 74.778,8.925 75.328,8.375 91.375,8.375 91.925,8.925 109.65,8.925 110.2,8.375 113.059,8.375 116.244,5.191 116.244,4.884 116.478,4.65 141.184,4.65 144.435,1.4 v1(144.519,1.4)
  Bottom Layer w0.2: v1(62.778,8.95) U5.5@64.463,8.95 ; R24.2@144.519,0.45 v1(144.519,1.4)
NetR25_2: R25.2 U1.17 | length 71.9
  Bottom Layer w0.2: R25.2@132.554,-5.125 v1(133.569,-5.125) 141.034,-5.125 148.744,-12.834 148.744,-13.416 154.128,-18.8 170.609,-18.8 180.834,-8.575 180.834,-7.01 181.068,-6.775 181.078,-6.775 181.303,-6.55 183.709,-6.55 185.252,-5.008 185.252,-1.384 184.467,-0.6 U1.17@183.198,-0.6 182.719,-0.6 182.694,-0.625 U1.17@182.669,-0.6
NetR26_2: R26.2 U1.19 | length 72.3
  Top Layer w0.2: v1(116.806,-5.875) 116.806,-5.912 118.714,-7.82 158.088,-7.82 161.479,-4.43 166.405,-4.43 167.705,-3.13 178.014,-3.13 v1(181.844,0.7)
  Bottom Layer w0.2: R26.2@115.554,-5.125 115.689,-5.26 116.154,-5.26 116.769,-5.875 v1(116.806,-5.875) ; v1(181.844,0.7) U1.19@183.198,0.7
NetR27_2: R27.2 U2.4 | length 29.4
  Top Layer w0.2: v1(110.219,-4.325) 110.219,-3.209 113.658,0.23 119.566,0.23 119.572,0.225 120.022,0.225 120.256,0.459 120.256,0.969 120.25,0.975 120.25,1.511 v1(119.861,1.9)
  Bottom Layer w0.2: R27.2@98.554,-5.125 v1(99.569,-5.125) 104.05,-5.125 106.2,-7.275 107.269,-7.275 v1(110.219,-4.325) ; v1(119.861,1.9) U2.4@121.215,1.9
NetR28_2: R28.2 U1.18 | length 57.2
  Top Layer w0.2: v1(133.569,-7.125) 135.873,-4.82 142.433,-4.82 147.153,-0.1 175.325,-0.1 176.525,1.1 183.502,1.1 v1(184.552,0.05)
  Bottom Layer w0.2: R28.2@132.554,-7.125 v1(133.569,-7.125) ; U1.18@183.198,0.05 v1(184.552,0.05)
NetR30_2: R30.2 U1.20 | length 81.5
  Top Layer w0.2: v1(116.569,-7.125) 120.219,-10.775 150.284,-10.775 152.459,-12.95 162.328,-12.95 167.158,-8.12 177.293,-8.12 180.984,-4.43 183.079,-4.43 184.152,-3.357 184.152,-1.084 184.952,-0.284 184.952,0.95 v1(184.552,1.35)
  Bottom Layer w0.2: R30.2@115.554,-7.125 v1(116.569,-7.125) ; U1.20@183.198,1.35 v1(184.552,1.35)
NetR32_2: R32.2 U2.5 | length 29.2
  Top Layer w0.2: v1(99.569,-7.125) 103.754,-7.125 106.059,-4.82 110.289,-4.82 110.647,-4.463 110.647,-3.934 114.511,-0.07 119.442,-0.07 119.448,-0.075 120.343,-0.075 121.668,1.25 v1(122.569,1.25)
  Bottom Layer w0.2: R32.2@98.554,-7.125 v1(99.569,-7.125) ; U2.5@121.215,1.25 v1(122.569,1.25)
NetR34_2: R34.2 U5.9 | length 78.3
  Top Layer w0.2: v1(61.403,6.575) 61.441,6.537 61.891,6.537 62.553,5.875 62.559,5.875 62.681,5.753 62.681,5.772 62.916,5.538 65.213,5.538 65.65,5.975 68.416,5.975 68.716,5.675 91.75,5.675 96.95,0.475 106.325,0.475 107.169,1.319 107.169,3.888 108.106,4.825 110.028,4.825 112.366,2.488 116.224,2.488 116.649,2.913 125.906,2.913 v1(127.494,1.325)
  Bottom Layer w0.2: v1(61.403,6.575) 61.778,6.95 U5.9@64.463,6.95 ; R34.2@127.494,0.375 v1(127.494,1.325)
NetR35_2: R35.2 U5.13 | length 54.7
  Top Layer w0.2: v1(103.98,-3.775) 104,-3.775 104.4,-3.375 104.4,-2.325 105.295,-1.43 107.095,-1.43 108.862,0.337 109.205,0.337 v1(109.244,0.375)
  Bottom Layer w0.2: U5.13@64.463,4.95 65.199,4.95 65.453,5.204 65.453,5.458 66.444,6.449 66.444,7.069 66.975,7.6 90.875,7.6 101.9,-3.425 103.63,-3.425 v1(103.98,-3.775) ; v1(109.244,0.375) 110.444,0.375 R35.2@110.469,0.4
NetR36_2: R36.2 U5.18 | length 34.2
  Top Layer w0.2: v1(62.779,2.45) 63.154,2.825 65.013,2.825 66.663,1.175 93.444,1.175 v1(93.469,1.2)
  Bottom Layer w0.2: v1(62.779,2.45) U5.18@64.463,2.45 ; R36.2@93.469,0.25 v1(93.469,1.2)
NetR37_2: R37.2 U2.6 | length 46.7
  Top Layer w0.2: v1(84.244,-5.2) 87.499,-5.2 89.119,-6.82 91.088,-6.82 91.206,-6.703 91.206,-5.669 91.655,-5.22 93.929,-5.22 98.724,-0.425 106.801,-0.425 108.069,0.843 108.069,3.515 108.479,3.925 109.563,3.925 112.863,0.625 v1(119.856,0.625)
  Bottom Layer w0.2: R37.2@83.229,-5.2 v1(84.244,-5.2) ; v1(119.856,0.625) 119.868,0.613 121.202,0.613 U2.6@121.215,0.6
NetR38_2: R38.2 U2.8 | length 59.5
  Top Layer w0.2: v1(67.894,-12.55) 72.875,-12.55 77.275,-8.15 103.725,-8.15 104.075,-7.8 108.158,-7.8 111.247,-4.711 111.247,-4.182 114.759,-0.67 119.194,-0.67 119.299,-0.775 v1(119.856,-0.775)
  Bottom Layer w0.2: R38.2@66.879,-12.55 v1(67.894,-12.55) ; v1(119.856,-0.775) 119.893,-0.738 121.052,-0.738 U2.8@121.09,-0.775
NetR39_2: R39.2 U2.10 | length 86.8
  Top Layer w0.2: v1(46.994,-13.489) 46.994,-12.639 48.207,-11.425 51.899,-11.425 55.153,-11.425 57.128,-9.45 58.334,-9.45 58.494,-9.609 58.494,-11.193 59.925,-12.625 59.925,-14.209 60.666,-14.95 104.584,-14.95 113.114,-6.42 115.937,-6.42 116.406,-5.951 116.406,-5.46 119.861,-2.004 v1(119.861,-2)
  Bottom Layer w0.2: R39.2@46.366,-13.575 46.414,-13.527 46.955,-13.527 v1(46.994,-13.489) ; v1(119.861,-2) U2.10@121.215,-2
NetR40_2: R40.2 U2.7 | length 44.5
  Top Layer w0.2: v1(84.244,-7.2) 84.894,-7.85 103.453,-7.85 106.183,-5.12 110.413,-5.12 110.947,-4.587 110.947,-4.058 114.635,-0.37 119.318,-0.37 119.323,-0.375 120.905,-0.375 121.23,-0.05 v1(122.569,-0.05)
  Bottom Layer w0.2: R40.2@83.229,-7.2 v1(84.244,-7.2) ; U2.7@121.215,-0.05 v1(122.569,-0.05)
NetR42_2: R42.2 U2.9 | length 60.2
  Top Layer w0.2: v1(67.894,-14.55) 104.56,-14.55 112.99,-6.12 115.813,-6.12 116.106,-5.827 116.106,-5.189 119.695,-1.6 120.131,-1.6 v1(120.156,-1.575)
  Bottom Layer w0.2: R42.2@66.879,-14.55 v1(67.894,-14.55) ; v1(120.156,-1.575) 120.21,-1.575 120.357,-1.428 121.137,-1.428 U2.9@121.215,-1.35
NetR44_2: R44.2 U2.11 | length 90.2
  Top Layer w0.2: v1(46.502,-14.801) 46.502,-14.482 46.594,-14.391 46.594,-12.602 48.07,-11.125 51.775,-11.125 53.415,-9.485 55.458,-9.485 55.793,-9.15 58.459,-9.15 58.794,-9.485 58.794,-10.343 62.276,-13.825 72.753,-13.825 73.428,-13.15 103.232,-13.15 111.547,-4.836 111.547,-4.411 112.969,-2.989 112.969,-2.884 114.883,-0.97 119.069,-0.97 119.275,-1.175 121.094,-1.175 v1(122.569,-2.65)
  Bottom Layer w0.2: R44.2@46.05,-14.8 v1@46.502,-14.8 ; U2.11@121.215,-2.65 v1(122.569,-2.65)
NetR46_2: R46.2 U5.22 | length 16.8
  Bottom Layer w0.2: U5.22@64.463,0.45 65.434,0.45 67.844,2.859 67.844,3.159 68.606,3.922 74.597,3.922 78.144,0.375 R46.2@78.144,0.35
NetR47_2: R47.2 U5.27 | length 26.5
  Bottom Layer w0.2: R47.2@62.325,-17.994 62.35,-17.994 62.525,-17.819 62.525,-14.003 64.803,-11.725 67.325,-11.725 71.45,-7.6 71.45,-4.148 70.777,-3.475 68.875,-3.475 67.325,-1.925 65.761,-1.925 65.644,-2.042 65.644,-2.05 U5.27@65.059,-2.05
NetR48_2: R48.2 U5.36 | length 33.7
  Top Layer w0.2: v1(43.6,-17.562) 45.195,-15.967 45.195,-13.546 47.916,-10.825 51.45,-10.825 53.09,-9.185 55.333,-9.185 55.669,-8.85 58.583,-8.85 59.094,-9.361 59.094,-10.219 59.8,-10.925 60.475,-10.925 62.478,-8.922 v1(62.478,-5.075)
  Bottom Layer w0.2: R48.2@42.651,-17.562 v1(43.6,-17.562) ; v1(62.478,-5.075) 62.478,-5.509 63.519,-6.55 U5.36@64.463,-6.55
NetR49_2: R49.2 U2.13 | length 131.3
  Top Layer w0.2: v1(56.629,9.942) 56.629,10.293 57.898,11.562 60.277,11.562 60.639,11.201 61.857,11.201 62.507,11.85 67.35,11.85 68.161,11.039 80.017,11.039 80.303,11.325 102.341,11.325 102.866,10.8 124.45,10.8 v1(124.65,11)
  Bottom Layer w0.15: R49.2@30.554,-5.125 33.911,-5.125 37.211,-8.425 39.307,-8.425 41.182,-10.3 41.513,-10.3 41.868,-9.945 41.868,-8.157 42.808,-7.217 43.942,-7.217 45.175,-5.983 45.175,-2.841 48.107,0.092 48.107,0.673 52.894,5.459 52.894,6.19 56.629,9.925 v1(56.629,9.942) ; U2.13@115.373,-3.3 115.451,-3.222 116.326,-3.222 116.432,-3.116 v1(116.486,-3.116) 119.2,-0.402 119.2,2.208 120.021,3.029 120.021,3.854 120.842,4.675 124.577,4.675 124.694,4.792 124.694,10.956 v1(124.65,11)
NetR50_2: R50.2 U2.15 | length 115.2
  Top Layer w0.2: v1(22.575,-11.3) 24.65,-11.3 v1(24.675,-11.325) ; v1(60.7,-13.975) 61.275,-13.975 61.45,-14.15 73.178,-14.15 73.203,-14.175 102.631,-14.175 112.986,-3.82 115.688,-3.82 115.806,-3.703 115.806,-2.764 116.319,-2.25 116.69,-2.25 116.99,-1.95 v1(117.044,-1.95)
  Bottom Layer w0.2: v1(22.575,-11.3) 22.575,-7.426 23.926,-6.075 25.475,-6.075 25.7,-5.85 25.7,-5.6 25.875,-5.425 R50.2@25.894,-5.425 R50.2@25.906,-5.413 ; v1(24.675,-11.325) 32.842,-11.325 35.402,-13.885 35.402,-14.021 39.887,-18.507 54.687,-18.507 59.523,-13.67 60.395,-13.67 v1(60.7,-13.975) ; U2.15@115.373,-2 115.398,-1.975 117.019,-1.975 v1(117.044,-1.95)
NetR51_2: R51.2 U2.17 | length 106.1
  Top Layer w0.2: v1(34.5,-2.825) 34.5,-2.966 35.634,-4.1 35.966,-4.1 37.191,-2.875 43.868,-2.875 45.3,-1.443 46.573,-1.443 47.466,-0.55 51.625,-0.55 v1(52.925,-1.85) ; v1(57.65,9.1) 57.65,10.466 58.147,10.963 60.028,10.963 60.39,10.601 62.106,10.601 62.755,11.25 67.024,11.25 67.835,10.439 101.932,10.439 102.293,10.8 v1(102.3,10.8)
  Bottom Layer w0.2: v1(34.5,-2.825) 34.525,-2.85 R51.2@37.919,-2.85 ; v1(52.925,-1.85) 54.075,-0.7 54.877,-0.7 56.027,0.45 56.75,0.45 57.65,1.35 v1(57.65,9.1) ; v1(102.3,10.8) 105.05,10.8 107.425,8.425 107.425,3.579 108.941,2.063 110.368,2.063 110.48,1.95 111.169,1.95 113.819,-0.7 U2.17@115.373,-0.7
NetR52_2: R52.2 U2.14 | length 113.4
  Top Layer w0.2: v1(44.602,-11.076) 44.64,-11.037 44.64,-10.76 46.08,-9.32 49.355,-9.32 50.746,-7.929 51.011,-7.929 v1(52.17,-6.77) ; v1(57.053,8.55) 57.053,10.293 58.023,11.262 60.153,11.262 60.515,10.901 61.982,10.901 62.631,11.55 67.149,11.55 67.959,10.739 80.142,10.739 80.428,11.025 100.496,11.025 100.671,10.85 v1(100.725,10.85)
  Bottom Layer w0.2: R52.2@30.554,-7.125 32.275,-7.125 34.175,-9.025 39.059,-9.025 41.584,-11.551 42.708,-11.551 43.183,-11.076 v1(44.602,-11.076) ; v1(52.17,-6.77) 52.17,-0.83 53.312,0.312 55.465,0.312 57.053,1.9 v1(57.053,8.55) ; v1(100.725,10.85) 102.1,9.475 104.375,9.475 106.825,7.025 106.825,3.33 108.955,1.2 110.964,1.2 114.814,-2.65 U2.14@115.373,-2.65
NetR54_2: R54.2 U2.16 | length 130.4
  Bottom Layer w0.15: R54.2@25.894,-6.85 25.919,-6.85 29.256,-10.187 37.048,-10.187 40.21,-13.35 40.863,-13.35 43.738,-16.225 46.243,-16.225 47.914,-14.554 47.914,-11.689 48.225,-11.378 54.828,-11.378 56.825,-13.375 57.94,-13.375 59.24,-12.075 61.659,-12.075 62.833,-10.901 62.833,-6.96 60.825,-4.951 60.825,7.565 62.128,8.868 62.128,9.775 64.078,11.724 100.676,11.724 101.15,11.25 102.494,9.906 104.969,9.906 107.125,7.75 107.125,3.455 109.029,1.55 111.056,1.55 113.956,-1.35 U2.16@115.373,-1.35